# KiCad board rcbus-ymf262-panel.kicad_pcb (continued)
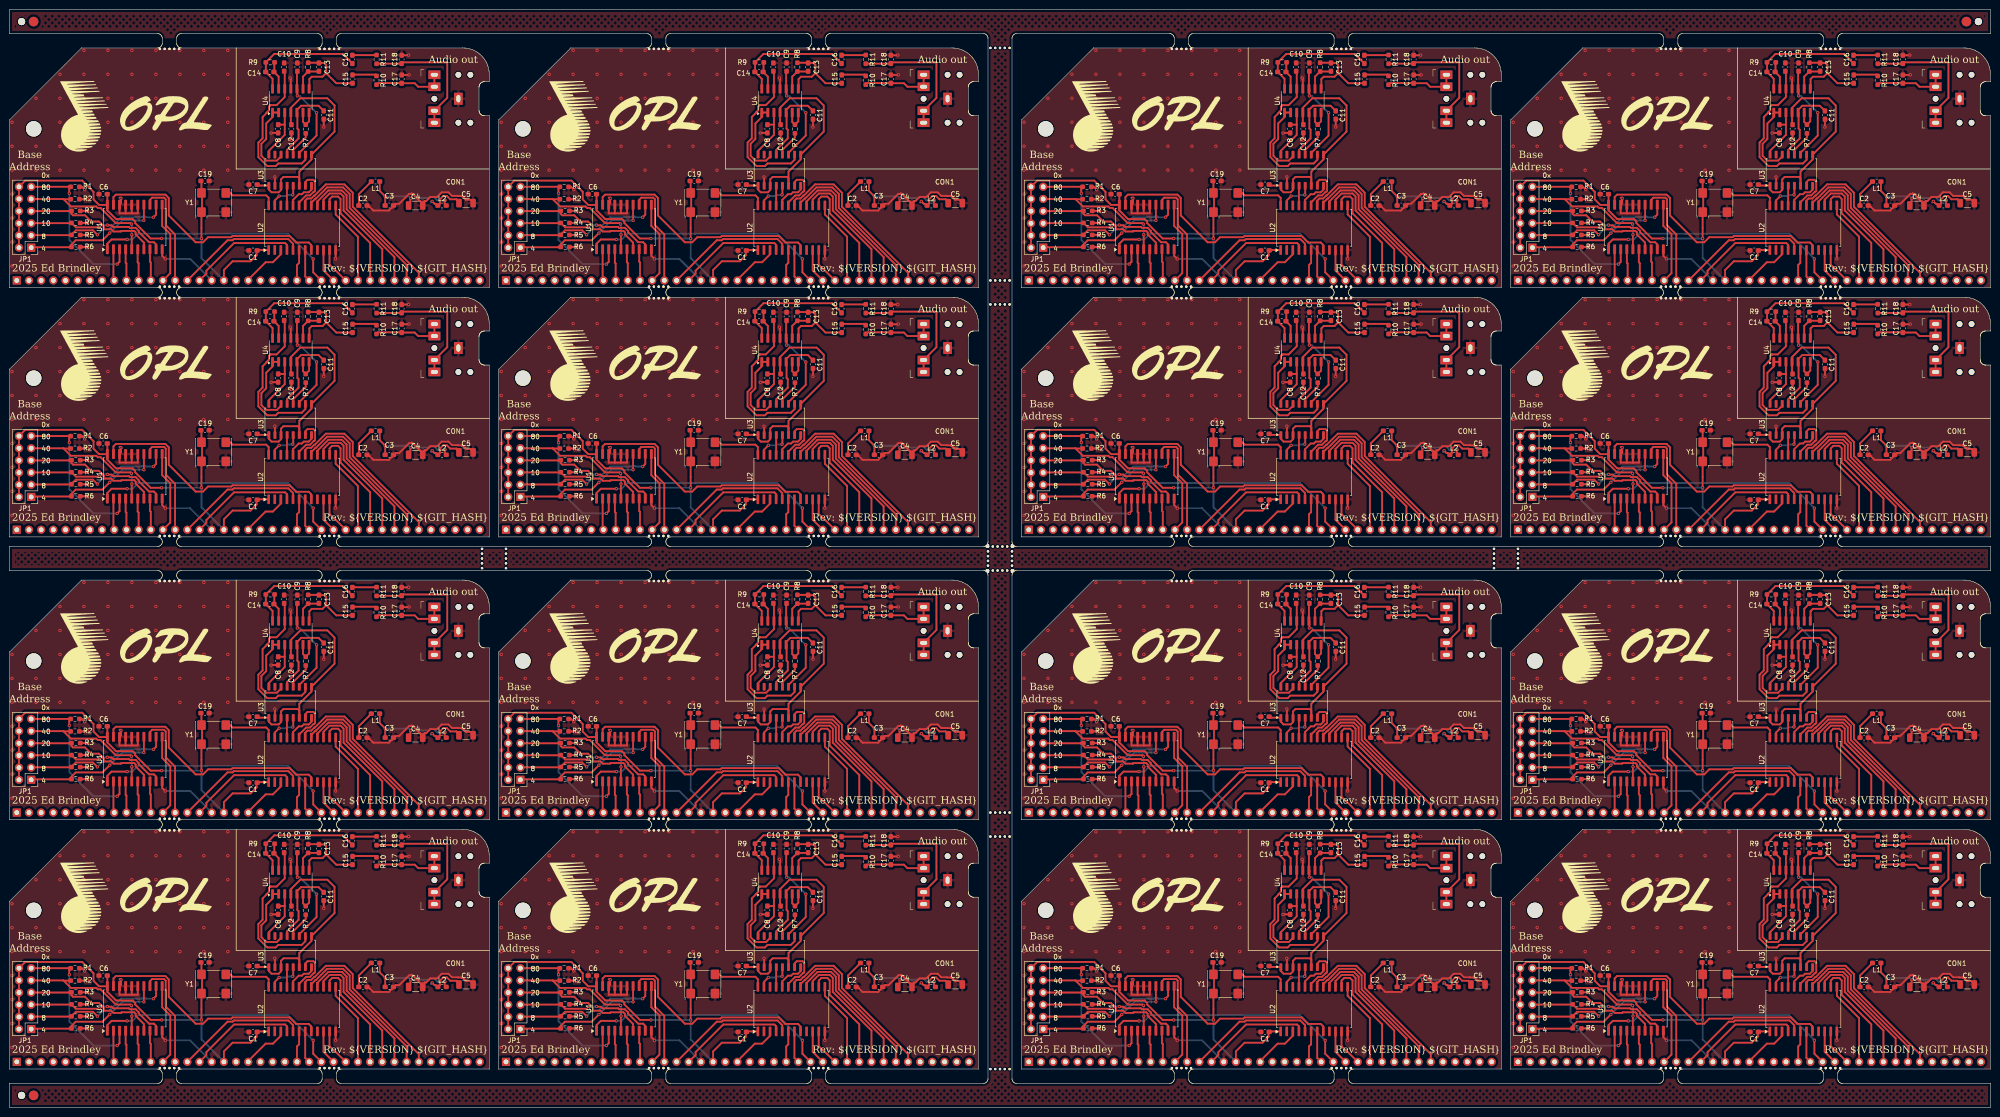
[diagram p0: board, top side]
## Routing (per net, layer and track width the routed paths; a pad name or vN(x,y) marks a point on that pad's centre or on a via; arc(x,y) is an arc through that point) (continued)
Board_6-/~{IORQ}: length 52.4
  Front w0.381: v1(235.5,129.05) 232.26,129.05 231.38,128.17 U1#13.1 ; v1(274.3,125) 274.3,122.2 P1#13.26
  Back w0.381: v1(235.5,129.05) 236.6,129.05 237.8,130.25 247.39,130.25 247.42,130.21 248.08,130.21 248.11,130.25 269.05,130.25 v1(274.3,125)
Board_6-/~{RD}: length 6.7
  Front w0.381: P1#13.25 272.63,121.33 U2#5.7
Board_6-/~{RESET}: length 9.8
  Front w0.381: 260.76,120.68 264.39,124.3 265.9,124.3 267.55,125.96 267.55,126.74 267.5,126.8
Board_6-/~{WR}: length 6.5
  Front w0.381: P1#13.24 270.92,123.72 271.37,124.17 U2#5.6
Board_6-GND: length 76.5
  Front w0.381: 235.2,134.5 235.19,134.51 U1#13.17 ; 235.2,134.5 236.5,134.5 ; 235.2,134.5 233.92,134.5 233.92,135.71 ; R1#4.2 226.06,140.03 v1(226.64,139.44) ; C12#16.2 v1(269.75,149.75) ; R6#6.2 227.18,127.48 v1(227.2,127.5) ; U4#11.11 269.64,162.61 v1(269.5,162.75) ; C17#5.2 294.26,163.36 v1(294.3,163.4) ; C18#6.2 294.16,167.48 v1(294.2,167.51) ; v1(266.3,142.1) 266.33,142.08 U3#5.2 ; v1(265.5,151.25) 265.52,151.28 C8#6.2 ; 237.73,135.84 237.73,134.5 236.5,134.5 ; R2#9.2 227.14,137.44 v1(227.2,137.5) ; 253.67,120.5 P1#13.17 ; 236.5,134.5 236.46,134.54 U1#13.16 ; R5#11.2 227.19,129.99 v1(227.2,130) ; R3#10.2 227.19,135.01 v1(227.2,135) ; C2#10.2 286.06,135.85 286.07,135.85 286.83,135.09 290.11,135.09 290.68,135.66 290.68,135.67 C3#2.2 291.52,136.5 291.53,136.51 292.24,136.51 294.28,138.55 294.68,138.55 294.81,138.67 294.94,138.55 295.04,138.55 296.58,137.01 296.66,137.01 296.68,136.99 C4#8.2 297.52,137.02 297.52,137.03 297.54,137.06 297.87,137.06 298.72,137.91 300.13,137.91 301.1,138.88 302.49,138.88 303.23,138.14 304.45,138.14 304.49,138.11 305.25,138.11 305.26,138.1 305.3,138.1 305.31,138.09 305.35,138.09 305.38,138.06 305.39,138.06 305.42,138.03 305.43,138.03 306.13,137.33 307.08,137.33 C5#12.2 ; U1#13.10 242.81,125.64 v1(243.46,125) ; 233.92,137.77 234.23,137.77 v1(234.23,137.62) 234.23,136.61 U1#13.18 ; R4#10.2 v1(227.2,132.5) ; C11#12.2 v1(276.5,152.5) ; U2#5.12 v1(278.99,125)
  Back w0.381: P1#13.17 248.64,125 v1(243.46,125)
  vias: v1(211.5,153.5) v1(211.5,148.5) v1(211.5,143.5) v1(211.5,138.5) v1(211.5,133.5) v1(211.5,128.5) v1(211.5,123.5) v1(216.5,158.5) v1(216.5,148.5) v1(216.5,143.5) v1(221.5,163.5) v1(221.5,158.5) v1(221.5,153.5) v1(221.5,148.5) v1(221.5,143.5) v1(226.5,168.5) v1(226.5,163.5) v1(226.5,158.5) v1(226.5,153.5) v1(226.5,148.5) v1(226.5,143.5) v1(231.5,168.5) v1(231.5,163.5) v1(231.5,158.5) v1(231.5,153.5) v1(231.5,148.5) v1(231.5,143.5) v1(236.5,168.5) v1(236.5,163.5) v1(236.5,158.5) v1(236.5,153.5) v1(236.5,148.5) v1(236.5,143.5) v1(241.5,168.5) v1(241.5,163.5) v1(241.5,158.5) v1(241.5,153.5) v1(241.5,148.5) v1(241.5,143.5) v1(246.5,168.5) v1(246.5,163.5) v1(246.5,158.5) v1(246.5,153.5) v1(246.5,148.5) v1(246.5,143.5) v1(251.5,168.5) v1(251.5,163.5) v1(251.5,158.5) v1(251.5,153.5) v1(251.5,148.5) v1(251.5,143.5) v1(256.5,168.5) v1(256.5,163.5) v1(256.5,158.5) v1(256.5,153.5) v1(256.5,148.5) v1(256.5,143.5)
Board_6-Net-(C3-Pad1): length 21.1
  Front w0.381: L1#8.1 288.17,139.18 v1(289.32,138.03) 289.32,136.52 289.41,136.42 ; v1(294.66,137.63) 294.57,137.54 294.57,137.02 C4#8.1 ; L2#8.2 301.71,136.6 301.71,137.12 v1(301.79,137.21)
  Back w0.381: v1(289.32,138.03) 294.26,138.03 v1(294.66,137.63) 298.44,137.63 298.72,137.91 299.47,137.91 300.18,137.21 v1(301.79,137.21)
Board_6-Net-(C15-Pad2): length 5.1
  Front w0.381: C15#14.2 282.58,163.44 287.22,163.44 R10.1
Board_6-Net-(C16-Pad2): length 4.5
  Front w0.381: 282.75,167.5 287.23,167.5
Board_6-Net-(C17-Pad1): length 15
  Front w0.381: CON1#14.T CON1#14.TN 296.2,160.91 295.46,161.64 C17#5.1 292.54,161.64 292.5,161.68 287.84,161.68 R10.2
Board_6-Net-(C18-Pad1): length 28
  Front w0.381: 287.8,165.73 292.45,165.73 ; CON1#14.R CON1#14.RN 302.25,158.59 302.25,166 292.99,166 C18#6.1
Board_6-Net-(JP1-Pin_1): length 28.7
  Front w0.381: v1(231.87,130.38) 230.36,128.88 224.78,128.88 223.9,128 R6#6.1 223.6,127.43 216.16,127.43 ; U1#13.14 v1(239,133.03)
  Back w0.381: v1(239,133.03) 236.94,133.03 236.92,133.05 234.53,133.05 v1(231.87,130.38)
Board_6-Net-(JP1-Pin_3): length 30.8
  Front w0.381: v1(241,133.68) 241.54,134.22 U1#13.12 ; v1(229.31,130.03) 228.39,130.95 224.8,130.95 224.28,130.42 R5#11.1 223.6,129.94 215.56,129.94 JP1#9.3
  Back w0.381: v1(229.31,130.03) 230.45,131.17 231.76,131.17 234.27,133.68 238.54,133.68 238.67,133.81 239.33,133.81 239.46,133.68 v1(241,133.68)
Board_6-Net-(JP1-Pin_5): length 29.4
  Front w0.381: JP1#9.5 215.53,132.45 223.6,132.45 R4#10.1 224.82,131.58 229.64,131.58 v1(229.68,131.62) ; v1(231.37,132.05) 231.42,132 232.26,132 232.59,131.67 235.87,131.67 236.07,131.47 237.29,131.47 237.92,130.84 237.92,130.63 240.08,128.47 241.09,128.47 241.54,128.03 U1#13.9
  Back w0.381: v1(231.37,132.05) 230.1,132.05 v1(229.68,131.62)
Board_6-Net-(JP1-Pin_7): length 28.1
  Front w0.381: JP1#9.7 223.33,134.96 223.33,134.96 223.6,134.96 R3#10.1 223.9,134.4 224.21,134.09 226.72,134.09 228.02,132.79 229.62,132.79 230.63,131.78 230.63,131.25 230.71,131.17 232.19,131.17 232.65,130.71 234.21,130.71 234.34,130.84 236.99,130.84 237.29,130.54 237.29,130.11 239,128.4 239,127.6
Board_6-Net-(JP1-Pin_9): length 29.9
  Front w0.381: 215.51,137.49 222.22,137.49 ; 222.22,137.49 223.77,135.93 229.08,135.93 229.38,135.63 229.97,135.63 233.14,132.46 236.2,132.46 v1(236.4,132.26) ; 222.22,137.49 222.27,137.44 R2#9.1 ; U1#13.5 236.46,130.03 v1(236.48,130.05)
  Back w0.381: v1(236.4,132.26) 236.48,132.17 v1(236.48,130.05)
Board_6-Net-(JP1-Pin_11): length 34.5
  Front w0.381: U1#13.3 233.92,124.38 v1(233.44,123.9) ; JP1#9.11 223.43,140.04 ; v1(223.46,138.69) 223.43,138.71 223.43,139.56 R1#4.1
  Back w0.381: v1(223.46,138.69) 223.46,128.93 228.49,123.9 v1(233.44,123.9)
Board_6-Net-(U3-AOUT): length 16.9
  Front w0.381: C11#12.1 275.42,156.95 271.78,156.95 270.91,156.08 U4#11.5 271,155.43 271,152.19 271.25,151.94 271.25,150.14 268.87,147.75 U3#5.13
Board_6-Net-(U3-CV): length 11.5
  Front w0.381: 268.37,153 U4#11.3 ; 268.37,153 C8#6.1 ; 268.37,153 268.37,150.86 265.05,147.55 U3#5.16
Board_6-Net-(U3-MP): length 16.3
  Front w0.381: 266.99,155.53 265.94,155.53 ; U4#11.1 265.83,154.58 264.5,153.25 264.5,150 263.5,149 263.5,146.5 264.5,145.51 266.73,145.51 267.6,146.37 U3#5.14
Board_6-Net-(U3-SWIN): length 5.5
  Front w0.381: U3#5.12 270.13,147.72 272.75,150.34 R7#8.1
Board_6-Net-(U4B--): length 5.6
  Front w0.381: U4#11.6 272.18,153.57 R7#8.2 273.45,153.7 U4#11.7
Board_6-Net-(U4C--): length 6.3
  Front w0.381: U4#11.9 272.18,163.02 R8#13.1 275.45,164.09 C13.2
Board_6-Net-(U4D--): length 6
  Front w0.381: U4#11.13 267.1,163.02 C14#9.1 266.2,164.08 266.2,165.72 R9#16.1
Board_6-VCC: length 103.5
  Front w0.381: P1#13.18 255.68,122.68 257.5,124.5 261.25,124.5 262.5,125.75 262.5,126.75 C1#7.1 262.71,126.85 U2#5.1 ; JP1#9.2 JP1#9.12 214.26,141.34 226.14,141.34 228.5,138.98 228.5,137.41 229.65,136.26 231.33,136.26 ; v1(242.71,129.25) 240.41,129.25 237.18,132.48 237.18,132.79 236.66,133.31 233.19,133.31 231.38,135.12 U1#13.20 231.38,138.48 C6.1 ; 251.12,139.35 251.12,134.15 251,134.03 v1(251,129.25) ; Y1#6.4 251,141.14 C19#16.1 ; C2#10.1 283.82,136.15 283.82,138.52 286,140.7 L1#8.2
  Back w0.381: v1(242.71,129.25) v1(251,129.25) 251,125.18 P1#13.18
Board_7-+5VA: length 56.5
  Front w0.381: C7#6.1 364.81,140.3 367,140.3 U3#10.1 367.05,139.45 367.62,138.89 369.1,138.89 369.6,139.38 U3#10.3 369.6,141.6 370.1,142.1 373.11,142.1 373.4,141.8 U3#10.6 373.4,143.21 375.95,145.75 U3#10.9 380.75,151.56 380.75,157 379.25,158.5 373.61,158.5 371.64,156.52 U4#6.4 371.64,153.11 C12#12.1 ; v1(401.1,137) 401.59,136.5 401.81,136.5 L2#11.1 402.71,136.56 402.72,136.57 402.72,137.42 403.42,138.12 404.17,138.12 404.87,137.43 406.16,137.43 406.16,137.42 C5#6.1
  Back w0.381: v1(401.1,137) 400.82,136.72
Board_7-/A0: length 23
  Front w0.381: P1#2.16 354.02,121.92 354.02,122.52 359.8,128.3 370.45,128.3 370.83,127.93 U2#6.4
Board_7-/A1: length 27.3
  Front w0.381: U2#6.5 372.1,128.16 371.12,129.14 359.74,129.14 359.49,128.89 358.45,128.89 P1#2.15
Board_7-/A2: length 22.4
  Front w0.381: P1#2.14 347.5,120.52 347.5,130.09 345.56,132.04 345.56,137.43 345.21,137.77 342.72,137.77 342.27,137.33 U1#12.13
Board_7-/A3: length 17.1
  Front w0.381: 344.8,136.29 344.8,131.89 346.5,130.19 346.5,122.02 P1#2.13
Board_7-/A4: length 6.6
  Front w0.381: P1#2.12 342.44,124.26 342.27,124.43 342.27,126.94 342.3,126.97
Board_7-/A5: length 6.6
  Front w0.381: P1#2.11 339.9,124.1 339.7,124.3 339.7,126.97
Board_7-/A6: length 6.6
  Front w0.381: P1#2.10 337.36,124.04 337.2,124.2 337.2,126.99
Board_7-/A7: length 6.6
  Front w0.381: P1#2.9 334.65,120.67 U1#12.2
Board_7-/AUDIO_CH1: length 33.2
  Front w0.381: U3#10.10 374.67,145.68 373.9,144.9 369.02,144.9 368.48,144.37 366.74,144.37 364.87,146.24 364.87,149.26 365.75,150.15 365.75,154.59 366.59,155.44 366.59,155.47 366.6,155.48 366.6,155.52 367.08,156 367.08,156.78 367.33,157.03 367.34,157.03 367.36,157.05 367.37,157.05 367.38,157.06 367.41,157.06 367.41,157.07 367.44,157.07 367.44,157.07 368.67,157.07 370.37,158.77 U4#6.12 370.37,164.02 C10#8.1
Board_7-/AUDIO_CH2: length 20.9
  Front w0.381: C9#12.1 372.91,164.05 U4#6.10 373,160.38 v1(373,159) ; U3#10.11 373.4,147.13 377,150.72 v1(377,155.5)
  Back w0.381: v1(373,159) 373.5,159 v1(377,155.5)
Board_7-/CLK: length 10.9
  Front w0.381: 358.38,139.35 359.48,138.25 366.5,138.25 367.01,137.74 U2#6.24
Board_7-/D0: length 7.2
  Front w0.381: U2#6.10 378.45,122.6 P1#2.27
Board_7-/D1: length 7.8
  Front w0.381: 379.7,126.84 379.7,123.79 380.67,122.81 380.77,122.81 P1#2.28
Board_7-/D2: length 17.6
  Front w0.381: U2#6.13 380.99,134.27 385.62,129.63 P1#2.29
Board_7-/D3: length 23.6
  Front w0.381: U2#6.14 379.72,137.47 380.25,138 381.5,138 382,137.5 382,134.5 388.16,128.34 P1#2.30
Board_7-/D4: length 27
  Front w0.381: U2#6.15 378.45,137.35 379.73,138.64 382.01,138.64 382.63,138.01 382.63,135.1 390.7,127.03 P1#2.31
Board_7-/D5: length 30.2
  Front w0.381: P1#2.32 393.24,125.39 383.27,135.36 383.27,138.28 382.28,139.27 379.46,139.27 377.17,136.98 U2#6.16
Board_7-/D6: length 33.4
  Front w0.381: U2#6.17 375.9,136.71 376.79,137.6 376.89,137.6 379.2,139.91 382.54,139.91 383.91,138.54 383.91,135.62 395.78,123.75 P1#2.33
Board_7-/D7: length 37
  Front w0.381: U2#6.18 374.63,137.15 375.08,137.6 375.89,137.6 376.52,138.23 376.63,138.23 378.94,140.54 382.8,140.54 384.54,138.8 384.54,135.89 398.32,122.11 P1#2.34
Board_7-/DAC_CLK: length 7.2
  Front w0.381: v1(372.04,138.36) 372.13,138.45 U3#10.5 ; v1(369.2,138.1) 368.28,137.19 U2#6.23
  Back w0.381: v1(372.04,138.36) 371.98,138.3 370.93,138.3 370.73,138.1 v1(369.2,138.1)
Board_7-/DOAB: length 4.1
  Front w0.381: U2#6.21 370.83,140.21 U3#10.4
Board_7-/L: length 18.1
  Front w0.381: R8#7.2 377.45,165.91 C13#3.1 378.64,165.86 379,165.5 379,163.75 ; 379,163.75 378.25,163 376,163 375.5,162.5 375.5,160.53 U4#6.8 ; 379,163.75 381.11,161.64 C15#9.1
Board_7-/R: length 25.7
  Front w0.381: U4#6.14 367.83,162.56 C14#8.2 366.42,164.04 R9#10.2 368.17,167.75 382.46,167.75 C16#7.1
Board_7-/SMPAC: length 6.7
  Front w0.381: U3#10.8 375.95,139.45 375.38,138.89 374.34,138.89 373.94,138.49 373.28,138.49 372.1,137.3 U2#6.20
Board_7-/SMPBD: length 10.1
  Front w0.381: U3#10.7 374.67,141.05 375.12,141.5 376.35,141.5 376.69,141.15 376.69,139.2 376.5,139 376.4,139 375.63,138.23 374.82,138.23 373.37,136.78 U2#6.19
Board_7-/~{CS}: length 51.7
  Front w0.381: U2#6.8 375.9,127.9 375.38,128.42 372.73,128.42 371.38,129.77 359.47,129.77 359.22,129.52 354.38,129.52 353.33,128.46 351.79,128.46 346.19,134.06 346.19,137.69 345.47,138.41 335.15,138.41 334.65,137.9 U1#12.19
Board_7-/~{IORQ}: length 52.4
  Front w0.381: U1#12.1 333.38,128.17 334.26,129.05 v1(337.5,129.05) ; v1(376.3,125) 376.3,122.2 P1#2.26
  Back w0.381: v1(376.3,125) 371.05,130.25 350.11,130.25 350.08,130.21 349.42,130.21 349.39,130.25 339.8,130.25 338.6,129.05 v1(337.5,129.05)
Board_7-/~{RD}: length 6.7
  Front w0.381: U2#6.7 374.63,121.33 P1#2.25
Board_7-/~{RESET}: length 9.8
  Front w0.381: 369.5,126.8 369.55,126.74 369.55,125.96 367.9,124.3 366.39,124.3 362.76,120.68
Board_7-/~{WR}: length 6.5
  Front w0.381: U2#6.6 373.37,124.17 372.92,123.72 P1#2.24
Board_7-GND: length 76.5
  Front w0.381: v1(329.2,130) 329.19,129.99 R5#6.2 ; v1(396.2,167.51) 396.16,167.48 C18#11.2 ; 337.2,134.5 335.92,134.5 335.92,135.71 ; 337.2,134.5 338.5,134.5 ; 337.2,134.5 337.19,134.51 U1#12.17 ; 338.5,134.5 339.73,134.5 339.73,135.84 ; 338.5,134.5 338.46,134.54 U1#12.16 ; R2#15.2 329.14,137.44 v1(329.2,137.5) ; v1(345.46,125) 344.81,125.64 U1#12.10 ; U1#12.18 336.23,136.61 v1(336.23,137.62) 336.23,137.77 335.92,137.77 ; U2#6.12 v1(380.99,125) ; v1(328.64,139.44) 328.06,140.03 R1.2 ; C12#12.2 v1(371.75,149.75) ; C17#15.2 396.26,163.36 v1(396.3,163.4) ; R4#14.2 v1(329.2,132.5) ; C2#15.2 388.06,135.85 388.07,135.85 388.83,135.09 392.11,135.09 392.68,135.66 392.68,135.67 C3#5.2 393.52,136.5 393.53,136.51 394.24,136.51 396.28,138.55 396.68,138.55 396.81,138.67 396.94,138.55 397.04,138.55 398.58,137.01 398.66,137.01 398.68,136.99 C4#15.2 399.52,137.02 399.52,137.03 399.54,137.06 399.87,137.06 400.72,137.91 402.13,137.91 403.1,138.88 404.49,138.88 405.23,138.14 406.45,138.14 406.49,138.11 407.25,138.11 407.26,138.1 407.3,138.1 407.31,138.09 407.35,138.09 407.38,138.06 407.39,138.06 407.42,138.03 407.43,138.03 408.13,137.33 409.08,137.33 C5#6.2 ; v1(329.2,127.5) 329.18,127.48 R6#3.2 ; C11#4.2 v1(378.5,152.5) ; v1(367.5,151.25) 367.52,151.28 C8#5.2 ; v1(329.2,135) 329.19,135.01 R3#12.2 ; U3#10.2 368.33,142.08 v1(368.3,142.1) ; v1(371.5,162.75) 371.64,162.61 U4#6.11 ; 355.67,120.5 P1#2.17
  Back w0.381: P1#2.17 350.64,125 v1(345.46,125)
  vias: v1(313.5,153.5) v1(313.5,148.5) v1(313.5,143.5) v1(313.5,138.5) v1(313.5,133.5) v1(313.5,128.5) v1(313.5,123.5) v1(318.5,158.5) v1(318.5,148.5) v1(318.5,143.5) v1(323.5,163.5) v1(323.5,158.5) v1(323.5,153.5) v1(323.5,148.5) v1(323.5,143.5) v1(328.5,168.5) v1(328.5,163.5) v1(328.5,158.5) v1(328.5,153.5) v1(328.5,148.5) v1(328.5,143.5) v1(333.5,168.5) v1(333.5,163.5) v1(333.5,158.5) v1(333.5,153.5) v1(333.5,148.5) v1(333.5,143.5) v1(338.5,168.5) v1(338.5,163.5) v1(338.5,158.5) v1(338.5,153.5) v1(338.5,148.5) v1(338.5,143.5) v1(343.5,168.5) v1(343.5,163.5) v1(343.5,158.5) v1(343.5,153.5) v1(343.5,148.5) v1(343.5,143.5) v1(348.5,168.5) v1(348.5,163.5) v1(348.5,158.5) v1(348.5,153.5) v1(348.5,148.5) v1(348.5,143.5) v1(353.5,168.5) v1(353.5,163.5) v1(353.5,158.5) v1(353.5,153.5) v1(353.5,148.5) v1(353.5,143.5) v1(358.5,168.5) v1(358.5,163.5) v1(358.5,158.5) v1(358.5,153.5) v1(358.5,148.5) v1(358.5,143.5)
Board_7-Net-(C3-Pad1): length 21.1
  Front w0.381: 391.41,136.42 391.32,136.52 v1(391.32,138.03) 390.17,139.18 L1.1 ; v1(396.66,137.63) 396.57,137.54 396.57,137.02 C4#15.1 ; v1(403.79,137.21) 403.71,137.12 403.71,136.6 L2#11.2
  Back w0.381: v1(403.79,137.21) 402.18,137.21 401.47,137.91 400.72,137.91 400.44,137.63 v1(396.66,137.63) 396.26,138.03 v1(391.32,138.03)
Board_7-Net-(C15-Pad2): length 5.1
  Front w0.381: R10#16.1 389.22,163.44 384.58,163.44 C15#9.2
Board_7-Net-(C16-Pad2): length 4.5
  Front w0.381: 389.23,167.5 384.75,167.5
Board_7-Net-(C17-Pad1): length 15
  Front w0.381: CON1.T CON1.TN 398.2,160.91 397.46,161.64 C17#15.1 394.54,161.64 394.5,161.68 389.84,161.68 R10#16.2
Board_7-Net-(C18-Pad1): length 28
  Front w0.381: 394.45,165.73 389.8,165.73 ; CON1.R CON1.RN 404.25,158.59 404.25,166 394.99,166 C18#11.1
Board_7-Net-(JP1-Pin_1): length 28.7
  Front w0.381: 318.16,127.43 325.6,127.43 R6#3.1 325.9,128 326.78,128.88 332.36,128.88 v1(333.87,130.38) ; U1#12.14 v1(341,133.03)
  Back w0.381: v1(341,133.03) 338.94,133.03 338.92,133.05 336.53,133.05 v1(333.87,130.38)
Board_7-Net-(JP1-Pin_3): length 30.8
  Front w0.381: v1(343,133.68) 343.54,134.22 U1#12.12 ; JP1#2.3 317.56,129.94 325.6,129.94 R5#6.1 326.28,130.42 326.8,130.95 330.39,130.95 v1(331.31,130.03)
  Back w0.381: v1(343,133.68) 341.46,133.68 341.33,133.81 340.67,133.81 340.54,133.68 336.27,133.68 333.76,131.17 332.45,131.17 v1(331.31,130.03)
Board_7-Net-(JP1-Pin_5): length 29.4
  Front w0.381: JP1#2.5 317.53,132.45 325.6,132.45 R4#14.1 326.82,131.58 331.64,131.58 v1(331.68,131.62) ; U1#12.9 343.54,128.03 343.09,128.47 342.08,128.47 339.92,130.63 339.92,130.84 339.29,131.47 338.07,131.47 337.87,131.67 334.59,131.67 334.26,132 333.42,132 v1(333.37,132.05)
  Back w0.381: v1(333.37,132.05) 332.1,132.05 v1(331.68,131.62)
Board_7-Net-(JP1-Pin_7): length 28.1
  Front w0.381: 341,127.6 341,128.4 339.29,130.11 339.29,130.54 338.99,130.84 336.34,130.84 336.21,130.71 334.65,130.71 334.19,131.17 332.71,131.17 332.63,131.25 332.63,131.78 331.62,132.79 330.02,132.79 328.72,134.09 326.21,134.09 325.9,134.4 R3#12.1 325.6,134.96 325.33,134.96 325.33,134.96 JP1#2.7
Board_7-Net-(JP1-Pin_9): length 29.9
  Front w0.381: 317.51,137.49 324.22,137.49 ; 324.22,137.49 324.27,137.44 R2#15.1 ; 324.22,137.49 325.77,135.93 331.08,135.93 331.38,135.63 331.97,135.63 335.14,132.46 338.2,132.46 v1(338.4,132.26) ; v1(338.48,130.05) 338.46,130.03 U1#12.5
  Back w0.381: v1(338.48,130.05) 338.48,132.17 v1(338.4,132.26)
Board_7-Net-(JP1-Pin_11): length 34.5
  Front w0.381: 325.43,140.04 JP1#2.11 ; v1(335.44,123.9) 335.92,124.38 U1#12.3 ; v1(325.46,138.69) 325.43,138.71 325.43,139.56 R1.1
  Back w0.381: v1(335.44,123.9) 330.49,123.9 325.46,128.93 v1(325.46,138.69)
Board_7-Net-(U3-AOUT): length 16.9
  Front w0.381: U3#10.13 370.87,147.75 373.25,150.14 373.25,151.94 373,152.19 373,155.43 U4#6.5 372.91,156.08 373.78,156.95 377.42,156.95 C11#4.1
Board_7-Net-(U3-CV): length 11.5
  Front w0.381: 370.37,153 370.37,150.86 367.05,147.55 U3#10.16 ; 370.37,153 C8#5.1 ; 370.37,153 U4#6.3
Board_7-Net-(U3-MP): length 16.3
  Front w0.381: U4#6.1 367.83,154.58 366.5,153.25 366.5,150 365.5,149 365.5,146.5 366.5,145.51 368.73,145.51 369.6,146.37 U3#10.14 ; 367.94,155.53 368.99,155.53
Board_7-Net-(U3-SWIN): length 5.5
  Front w0.381: R7#9.1 374.75,150.34 372.13,147.72 U3#10.12
Board_7-Net-(U4B--): length 5.6
  Front w0.381: U4#6.6 374.18,153.57 R7#9.2 375.45,153.7 U4#6.7
Board_7-Net-(U4C--): length 6.3
  Front w0.381: U4#6.9 374.18,163.02 R8#7.1 377.45,164.09 C13#3.2
Board_7-Net-(U4D--): length 6
  Front w0.381: R9#10.1 368.2,165.72 368.2,164.08 C14#8.1 369.1,163.02 U4#6.13
Board_7-VCC: length 103.5
  Front w0.381: v1(353,129.25) 353,134.03 353.12,134.15 353.12,139.35 ; C19.1 353,141.14 Y1#11.4 ; L1.2 388,140.7 385.82,138.52 385.82,136.15 C2#15.1 ; JP1#2.2 JP1#2.12 316.26,141.34 328.14,141.34 330.5,138.98 330.5,137.41 331.65,136.26 333.33,136.26 ; P1#2.18 357.68,122.68 359.5,124.5 363.25,124.5 364.5,125.75 364.5,126.75 C1#11.1 364.71,126.85 U2#6.1 ; v1(344.71,129.25) 342.41,129.25 339.18,132.48 339.18,132.79 338.66,133.31 335.19,133.31 333.38,135.12 U1#12.20 333.38,138.48 C6#15.1
  Back w0.381: v1(344.71,129.25) v1(353,129.25) 353,125.18 P1#2.18
Board_8-+5VA: length 56.5
  Front w0.381: C12#4.1 58.64,94.11 U4#2.4 58.64,97.52 60.61,99.5 66.25,99.5 67.75,98 67.75,92.56 U3#14.9 62.94,86.75 60.4,84.21 U3#14.6 60.4,82.8 60.11,83.1 57.1,83.1 56.6,82.6 U3#14.3 56.6,80.38 56.1,79.89 54.62,79.89 54.06,80.45 U3#14.1 54,81.3 51.81,81.3 C7#10.1 ; v1(88.1,78) 88.59,77.5 88.81,77.5 L2#14.1 89.71,77.56 89.72,77.57 89.72,78.42 90.42,79.12 91.17,79.12 91.87,78.43 93.16,78.43 93.16,78.42 C5#13.1
  Back w0.381: v1(88.1,78) 87.82,77.72
Board_8-/A0: length 23
  Front w0.381: U2#4.4 57.82,68.93 57.45,69.3 46.8,69.3 41.02,63.52 41.02,62.92 P1#10.16
Board_8-/A1: length 27.3
  Front w0.381: P1#10.15 45.44,69.89 46.49,69.89 46.74,70.14 58.12,70.14 59.1,69.16 U2#4.5
Board_8-/A2: length 22.4
  Front w0.381: P1#10.14 34.5,61.52 34.5,71.09 32.56,73.04 32.56,78.43 32.21,78.77 29.72,78.77 29.27,78.33 U1#4.13
Board_8-/A3: length 17.1
  Front w0.381: 31.8,77.29 31.8,72.89 33.5,71.19 33.5,63.02 P1#10.13
Board_8-/A4: length 6.6
  Front w0.381: 29.3,67.97 29.27,67.94 29.27,65.43 29.44,65.26 P1#10.12
Board_8-/A5: length 6.6
  Front w0.381: P1#10.11 26.9,65.1 26.7,65.3 26.7,67.97
Board_8-/A6: length 6.6
  Front w0.381: 24.2,67.99 24.2,65.2 24.36,65.04 P1#10.10
Board_8-/A7: length 6.6
  Front w0.381: U1#4.2 21.65,61.67 P1#10.9
Board_8-/AUDIO_CH1: length 33.2
  Front w0.381: C10#5.1 57.37,105.02 U4#2.12 57.37,99.77 55.67,98.07 54.44,98.07 54.44,98.07 54.41,98.07 54.41,98.06 54.38,98.06 54.37,98.05 54.36,98.05 54.34,98.03 54.33,98.03 54.08,97.78 54.08,97 53.6,96.52 53.6,96.48 53.59,96.47 53.59,96.44 52.75,95.59 52.75,91.15 51.87,90.26 51.87,87.24 53.74,85.37 55.48,85.37 56.02,85.9 60.9,85.9 61.68,86.68 U3#14.10
Board_8-/AUDIO_CH2: length 20.9
  Front w0.381: v1(60,100) 60,101.38 U4#2.10 59.91,105.05 C9#13.1 ; U3#14.11 60.4,88.13 64,91.72 v1(64,96.5)
  Back w0.381: v1(64,96.5) 60.5,100 v1(60,100)
Board_8-/CLK: length 10.9
  Front w0.381: 45.38,80.35 46.48,79.25 53.5,79.25 54.01,78.74 U2#4.24
Board_8-/D0: length 7.2
  Front w0.381: P1#10.27 65.44,63.6 U2#4.10
Board_8-/D1: length 7.8
  Front w0.381: 66.7,67.84 66.7,64.79 67.67,63.81 67.77,63.81 P1#10.28
Board_8-/D2: length 17.6
  Front w0.381: U2#4.13 67.99,75.27 72.62,70.63 P1#10.29
Board_8-/D3: length 23.6
  Front w0.381: U2#4.14 66.71,78.47 67.25,79 68.5,79 69,78.5 69,75.5 75.16,69.34 P1#10.30
Board_8-/D4: length 27
  Front w0.381: U2#4.15 65.44,78.35 66.73,79.64 69.01,79.64 69.63,79.01 69.63,76.1 77.7,68.03 P1#10.31
Board_8-/D5: length 30.2
  Front w0.381: U2#4.16 64.18,77.98 66.46,80.27 69.28,80.27 70.27,79.28 70.27,76.36 80.24,66.39 P1#10.32
Board_8-/D6: length 33.4
  Front w0.381: U2#4.17 62.9,77.71 63.79,78.6 63.89,78.6 66.2,80.91 69.54,80.91 70.91,79.54 70.91,76.62 82.78,64.75 P1#10.33
Board_8-/D7: length 37
  Front w0.381: P1#10.34 85.32,63.11 71.54,76.89 71.54,79.8 69.8,81.54 65.94,81.54 63.63,79.23 63.52,79.23 62.89,78.6 62.08,78.6 61.63,78.15 U2#4.18
Board_8-/DAC_CLK: length 7.2
  Front w0.381: v1(56.2,79.1) 55.29,78.19 U2#4.23 ; U3#14.5 59.13,79.45 v1(59.04,79.36)
  Back w0.381: v1(56.2,79.1) 57.73,79.1 57.93,79.3 58.98,79.3 v1(59.04,79.36)
Board_8-/DOAB: length 4.1
  Front w0.381: U3#14.4 57.82,81.21 U2#4.21
Board_8-/L: length 18.1
  Front w0.381: 66,104.75 68.11,102.64 C15#12.1 ; 66,104.75 65.25,104 63,104 62.5,103.5 62.5,101.53 U4#2.8 ; 66,104.75 66,106.5 65.64,106.86 C13#11.1 64.45,106.91 R8#16.2
Board_8-/R: length 25.7
  Front w0.381: U4#2.14 54.83,103.56 C14#6.2 53.43,105.04 R9#13.2 55.18,108.75 69.46,108.75 C16#5.1
Board_8-/SMPAC: length 6.7
  Front w0.381: U2#4.20 59.1,78.3 60.28,79.49 60.94,79.49 61.34,79.89 62.38,79.89 62.94,80.45 U3#14.8
Board_8-/SMPBD: length 10.1
  Front w0.381: U3#14.7 61.68,82.05 62.12,82.5 63.35,82.5 63.69,82.15 63.69,80.2 63.5,80 63.4,80 62.63,79.23 61.82,79.23 60.37,77.78 U2#4.19
Board_8-/~{CS}: length 51.7
  Front w0.381: U2#4.8 62.9,68.9 62.38,69.42 59.73,69.42 58.38,70.77 46.47,70.77 46.22,70.52 41.38,70.52 40.33,69.46 38.79,69.46 33.19,75.06 33.19,78.69 32.47,79.41 22.15,79.41 21.65,78.9 U1#4.19
Board_8-/~{IORQ}: length 52.4
  Front w0.381: U1#4.1 20.38,69.17 21.26,70.05 v1(24.5,70.05) ; v1(63.3,66) 63.3,63.2 P1#10.26
  Back w0.381: v1(24.5,70.05) 25.6,70.05 26.8,71.25 36.39,71.25 36.42,71.21 37.08,71.21 37.11,71.25 58.05,71.25 v1(63.3,66)
Board_8-/~{RD}: length 6.7
  Front w0.381: P1#10.25 61.63,62.33 U2#4.7
Board_8-/~{RESET}: length 9.8
  Front w0.381: 49.76,61.68 53.39,65.3 54.9,65.3 56.56,66.96 56.56,67.74 56.5,67.8
Board_8-/~{WR}: length 6.5
  Front w0.381: P1#10.24 59.92,64.72 60.37,65.17 U2#4.6
Board_8-GND: length 76.5
  Front w0.381: U1#4.18 23.23,77.61 v1(23.23,78.62) 23.23,78.77 22.92,78.77 ; 25.5,75.5 26.73,75.5 26.73,76.84 ; 25.5,75.5 25.46,75.54 U1#4.16 ; 25.5,75.5 24.2,75.5 ; U3#14.2 55.32,83.08 v1(55.3,83.1) ; U1#4.10 31.81,66.64 v1(32.46,66) ; U4#2.11 58.64,103.61 v1(58.5,103.75) ; v1(16.2,71) 16.19,70.99 R5#15.2 ; v1(83.3,104.4) 83.26,104.36 C17#11.2 ; 42.67,61.5 P1#10.17 ; C18#4.2 83.16,108.48 v1(83.2,108.51) ; 22.92,76.71 22.92,75.5 24.2,75.5 ; C11#9.2 v1(65.5,93.5) ; v1(54.5,92.25) 54.52,92.28 C8#8.2 ; C5#13.2 96.08,78.33 95.13,78.33 94.43,79.03 94.42,79.03 94.39,79.06 94.38,79.06 94.35,79.09 94.31,79.09 94.3,79.1 94.26,79.1 94.25,79.11 93.49,79.11 93.45,79.14 92.23,79.14 91.49,79.88 90.1,79.88 89.13,78.91 87.72,78.91 86.87,78.06 86.54,78.06 86.52,78.03 86.52,78.02 C4#2.2 85.68,77.99 85.66,78.01 85.58,78.01 84.04,79.55 83.94,79.55 83.81,79.67 83.68,79.55 83.28,79.55 81.24,77.51 80.53,77.51 80.52,77.5 C3#16.2 79.68,76.67 79.68,76.66 79.11,76.09 75.83,76.09 75.07,76.85 75.06,76.85 C2#9.2 ; U2#4.12 v1(67.99,66) ; v1(15.64,80.44) 15.06,81.03 R1#3.2 ; 24.2,75.5 24.19,75.51 U1#4.17 ; v1(16.2,68.5) 16.18,68.48 R6#16.2 ; R4#12.2 v1(16.2,73.5) ; v1(16.2,78.5) 16.14,78.44 R2#6.2 ; v1(16.2,76) 16.19,76.01 R3#11.2 ; C12#4.2 v1(58.75,90.75)
  Back w0.381: v1(32.46,66) 37.64,66 P1#10.17
  vias: v1(0.5,94.5) v1(0.5,89.5) v1(0.5,84.5) v1(0.5,79.5) v1(0.5,74.5) v1(0.5,69.5) v1(0.5,64.5) v1(5.5,99.5) v1(5.5,89.5) v1(5.5,84.5) v1(10.5,104.5) v1(10.5,99.5) v1(10.5,94.5) v1(10.5,89.5) v1(10.5,84.5) v1(15.5,109.5) v1(15.5,104.5) v1(15.5,99.5) v1(15.5,94.5) v1(15.5,89.5) v1(15.5,84.5) v1(20.5,109.5) v1(20.5,104.5) v1(20.5,99.5) v1(20.5,94.5) v1(20.5,89.5) v1(20.5,84.5) v1(25.5,109.5) v1(25.5,104.5) v1(25.5,99.5) v1(25.5,94.5) v1(25.5,89.5) v1(25.5,84.5) v1(30.5,109.5) v1(30.5,104.5) v1(30.5,99.5) v1(30.5,94.5) v1(30.5,89.5) v1(30.5,84.5) v1(35.5,109.5) v1(35.5,104.5) v1(35.5,99.5) v1(35.5,94.5) v1(35.5,89.5) v1(35.5,84.5) v1(40.5,109.5) v1(40.5,104.5) v1(40.5,99.5) v1(40.5,94.5) v1(40.5,89.5) v1(40.5,84.5) v1(45.5,109.5) v1(45.5,104.5) v1(45.5,99.5) v1(45.5,94.5) v1(45.5,89.5) v1(45.5,84.5)